# Altium PCB Colin Motherboard.PcbDoc
Units mm, origin at the board's own origin, x right, y up, seen from the top; angles counter-clockwise.
Board outline 97.7 x 230.42 mm, 2 copper layers (Top Layer, Bottom Layer); 40 components, 7 nets, 177 pads, 0 vias.
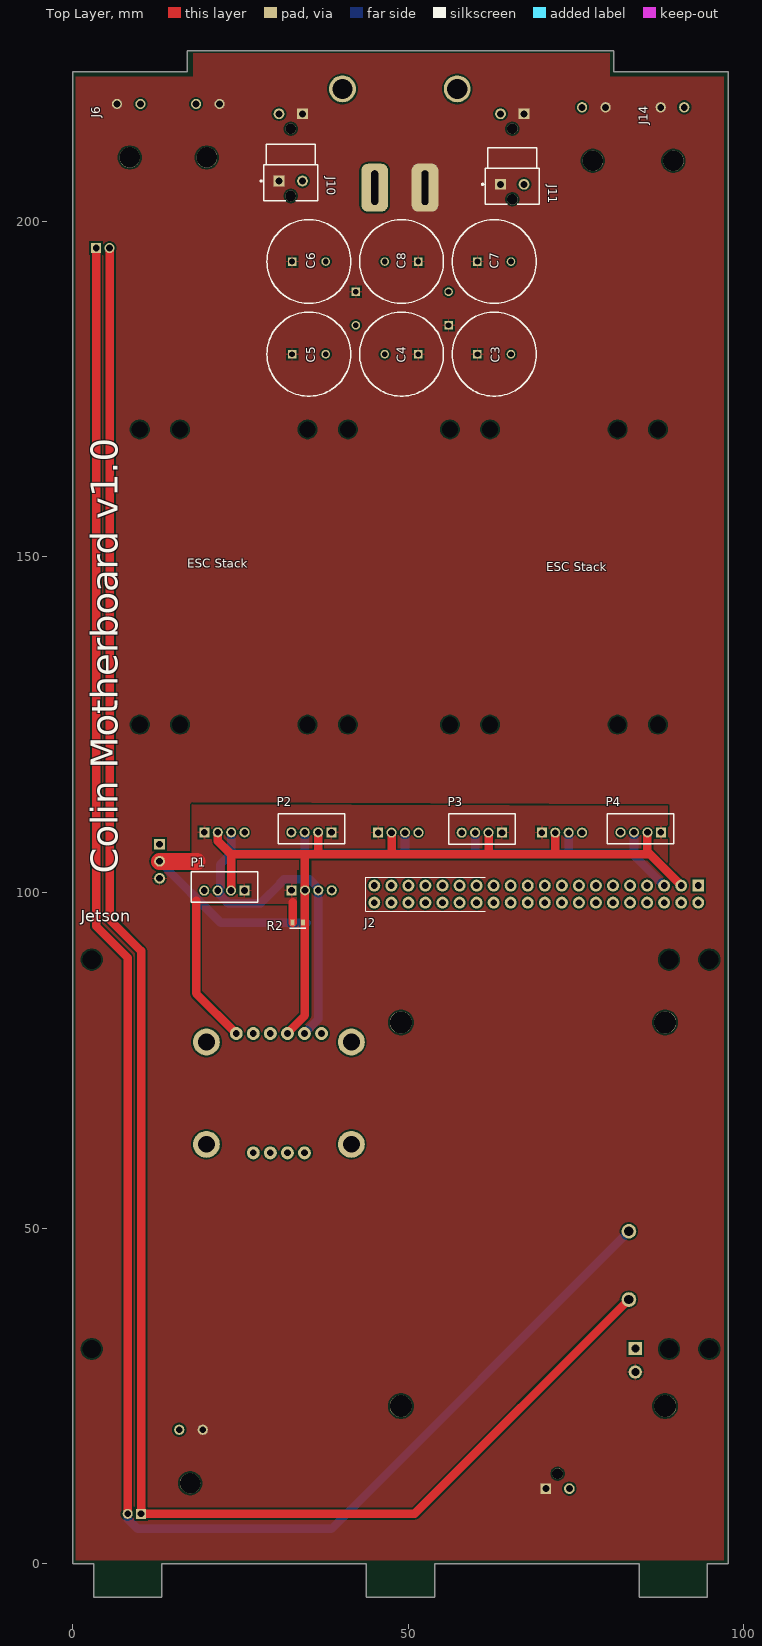
[diagram p0: Top Layer view]
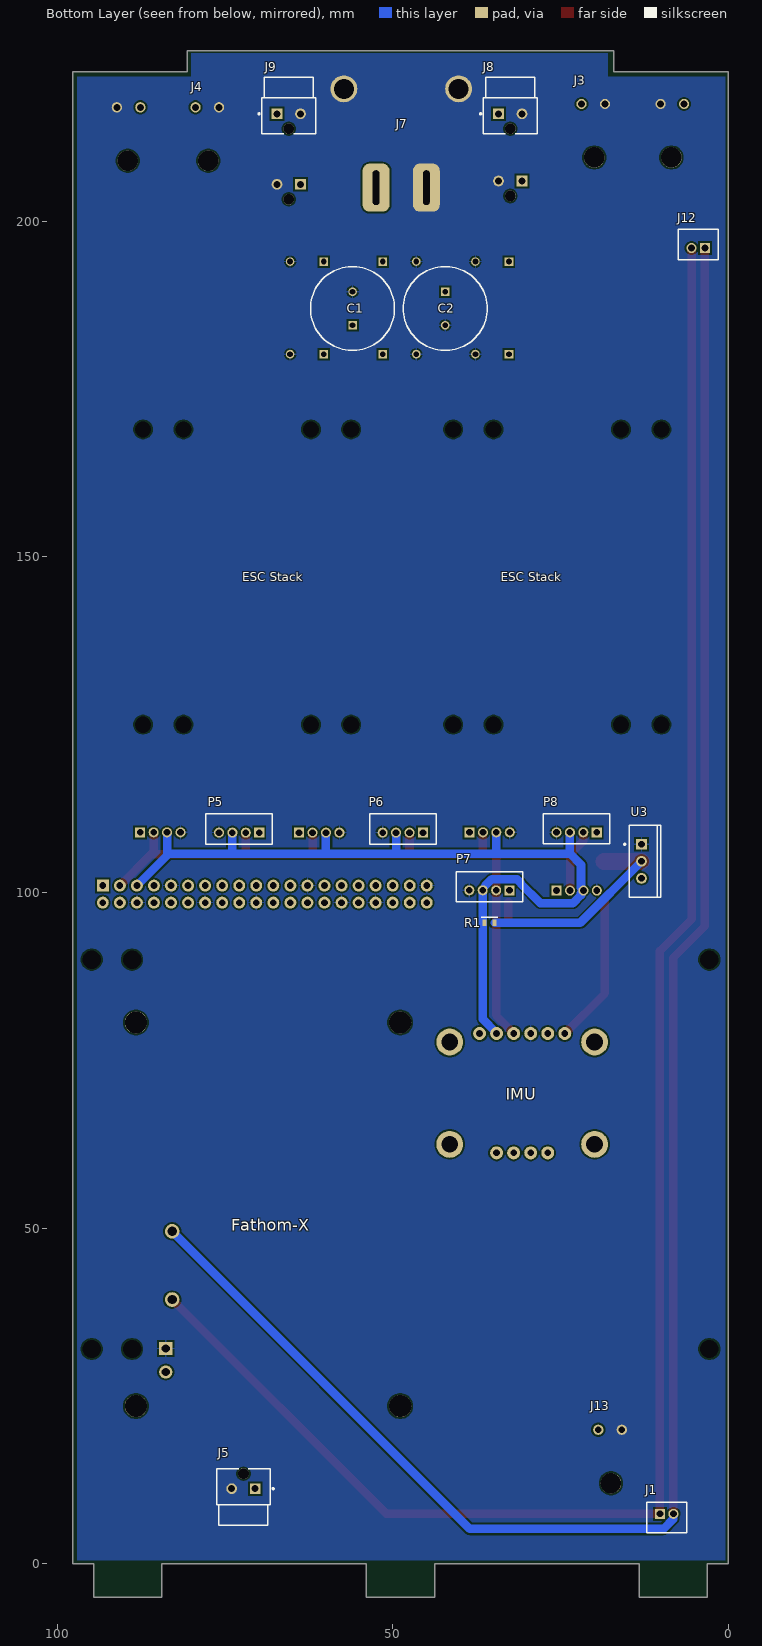
[diagram p1: Bottom Layer view, seen from below]

## Layer stack, top to bottom
Top Solder: solder mask 0.0102, Solder Resist, Dk 3.5
Top Layer: signal copper 0.0356
Dielectric 1: dielectric 0.32, FR-4, Dk 4.8
Bottom Layer: signal copper 0.0356
Bottom Solder: solder mask 0.0102, Solder Resist, Dk 3.5

## Board outline
3.13,-5 3.13,0 0,0 0,222.24 17.1,222.24 17.1,225.42 80.6,225.42 80.6,222.24 97.7,222.24 97.7,0 94.57,0 94.57,-5 84.41,-5 84.41,0 53.93,0 53.93,-5 43.77,-5 43.77,0 13.29,0 13.29,-5

## Design rules (kind name [scope] priority, off if disabled: settings)
Clearance [All] p1: gap=0.254 ignorepadtopadclearanceinfootprint=FALSE except(0: Arc-Hole Track-Hole SMDPad-Hole THPad-Hole Via-Hole Fill-Hole Poly-Hole Region-Hole Text-Hole; 0.15: Arc-Arc Arc-Track Track-Track; 0.2: SMDPad-Via)
HoleSize [All] p1: absolutevalues=TRUE maxlimit=6.3 minlimit=0.2 maxpercent=80.000 minpercent=20.000
HoleToHoleClearance [All] p1: gap=0.5 allowstackedmicrovias=TRUE
MinimumAnnularRing [All] p1: minimumring=0.2
PolygonConnect PolygonConnect_boardpower [(HasFootprint('2CONTAC_ULTRAFIT_R/A') OR HasFootprint('Molex_172286-1102_0') OR HasFootprint('172043-0202'))] p1: connectstyle=Direct reliefconductorwidth=0.254 reliefentries=4 polygonreliefangle="90 Angle" airgapwidth=0.254
PolygonConnect [All] p2: connectstyle=Relief reliefconductorwidth=0.254 reliefentries=4 polygonreliefangle="90 Angle" airgapwidth=0.254
RoutingVias [All] p1: holewidth=0.711 width=1.27 viastyle="Through Hole" minholewidth=0.711 minwidth=1.27 maxholewidth=0.711 maxwidth=1.27
SilkToSolderMaskClearance [IsPad] p1: minsilkscreentomaskgap=0.15 clearancetoexposedcopper=TRUE
SolderMaskExpansion [All] p1: expansion=0.102 istentingtop=FALSE
UnpouredPolygon [All] p1: allowunpoured=TRUE
Width [All] p1: maxlimit=2.54 minlimit=0.2 preferedwidth=1.27 minimp=50.000000 maximp=50.000000 favimp=50.000000
26 further rules are at their usual default settings.

## Classes and differential pairs
component class Colin: C1 C2 C3 C4 C5 C6 C7 C8 "ESC Stack" Fathom-X IMU J1 J2 J3 J4 J5 J6 J7 J8 J9 J10 J11 J12 J13 J14 P1 P2 P3 P4 P5 P6 P7 P8 R1 R2 U3

## Components (designator, comment, footprint, x,y, rotation, side; value= is the part's Value field where it differs from the comment)
C1 "EEU-FC1E102B" EEU-FC1E102B 56,184.5 r90 bottom
C2 "EEU-FC1E102B" EEU-FC1E102B 42.196,189.5 r270 bottom
C3 "EEU-FC1E102B" EEU-FC1E102B 60.304,180.196 r0 top
C4 "EEU-FC1E102B" EEU-FC1E102B 51.5,180.196 r180 top
C5 "EEU-FC1E102B" EEU-FC1E102B 32.696,180.196 r0 top
C6 "EEU-FC1E102B" EEU-FC1E102B 32.696,194 r0 top
C7 "EEU-FC1E102B" EEU-FC1E102B 60.304,194 r0 top
C8 "EEU-FC1E102B" EEU-FC1E102B 51.5,194 r180 top
"ESC Stack" "ESC mounting holes" "Jonathon ESC mounting holes" 59.2,122 r0 top (schematic designator H4)
"ESC Stack" "ESC mounting holes" "Jonathon ESC mounting holes" 7,122 r0 top (schematic designator H5)
"ESC Stack" "ESC mounting holes" "Jonathon ESC mounting holes" 84.2,122 r180 bottom (schematic designator H3)
"ESC Stack" "ESC mounting holes" "Jonathon ESC mounting holes" 44,122 r180 bottom (schematic designator H2)
Fathom-X "FathomX" FATHOM-X 91.445,83.82 r270 bottom (schematic designator U1)
IMU "Adafruit BNO055 IMU" "Adafruit BNO055 IMU" 17.395,80.27 r0 bottom (schematic designator U2)
J1 "B2B-PH-K-S(LF)(SN)" JST-B2B-PH-K-S_V 9.2,6.9 r180 bottom
J2 "2x20 male pin header" "2x20 pin header" 69.07,99.77 r180 top
J3 "MOLEX_172310-1202-R/A" 2CONTAC_ULTRAFIT_R/A 20.14,219.97 r180 bottom
J4 "MOLEX_172310-1202-R/A" 2CONTAC_ULTRAFIT_R/A 77.64,219.47 r180 bottom
J5 "MOLEX_172286-1102-V" Molex_172286-1102_0 72.25,11.2 r0 bottom
J6 "MOLEX_172310-1202-R/A" 2CONTAC_ULTRAFIT_R/A 8.36,219.97 r0 top
J7 "Super Sabre 2 Pos Connector" 172043-0202 59.28,207.575 r180 bottom
J8 "MOLEX_172286-1102-V" Molex_172286-1102_0 32.5,216 r180 bottom
J9 "MOLEX_172286-1102-V" Molex_172286-1102_0 65.5,216 r180 bottom
J10 "MOLEX_172286-1102-V" Molex_172286-1102_0 32.5,206 r0 top
J11 "MOLEX_172286-1102-V" Molex_172286-1102_0 65.5,205.5 r0 top
J12 "B2B-PH-K-S(LF)(SN)" JST-B2B-PH-K-S_V 4.5,196.55 r0 bottom
J13 "MOLEX_172310-1202-R/A" 2CONTAC_ULTRAFIT_R/A 17.64,22.47 r180 bottom
J14 "MOLEX_172310-1202-R/A" 2CONTAC_ULTRAFIT_R/A 89.36,219.47 r0 top
Jetson "Jetson Xavier NX mounting holes" "Jetson mounting holes" -1.15,15 r0 top (schematic designator H1)
P1 "B4B-PH-K-S(LF)(SN)" JST-B4B-PH-K-S_V 22.606,100.838 r180 top
P2 "B4B-PH-K-S(LF)(SN)" JST-B4B-PH-K-S_V 35.576,109.516 r180 top
P3 "B4B-PH-K-S(LF)(SN)" JST-B4B-PH-K-S_V 60.96,109.474 r180 top
P4 "B4B-PH-K-S(LF)(SN)" JST-B4B-PH-K-S_V 84.63,109.516 r180 top
P5 "B4B-PH-K-S(LF)(SN)" JST-B4B-PH-K-S_V 72.898,109.474 r0 bottom
P6 "B4B-PH-K-S(LF)(SN)" JST-B4B-PH-K-S_V 48.514,109.474 r0 bottom
P7 "B4B-PH-K-S(LF)(SN)" JST-B4B-PH-K-S_V 35.608,100.88 r0 bottom
P8 "B4B-PH-K-S(LF)(SN)" JST-B4B-PH-K-S_V 22.622,109.516 r0 bottom
R1 "SG73G1JTTD2201D" SG73G1JTTD2201D 35.6,95.5 r180 bottom
R2 "SG73G1JTTD2201D" SG73G1JTTD2201D 33.54,95.504 r180 top
U3 "LM1085IT-3.3/NOPB" NDE0003A 12.954,104.648 r270 bottom

## Footprints (in the part's own frame and the unit in brackets; to place one, negate y for a bottom-side part, rotate by r counter-clockwise, add the part's x,y. Pads: shape width x height; smd on the part's side, far side on the other; paste and mask are expansions set on the pad)
2CONTAC_ULTRAFIT_R/A [mm]
  round 1.53 hole 1.02: 1(-1.75,-2.5) 2(1.75,-2.5)
  round 3.05 hole 3.05 unplated: MH1(0.14,-10.47)
  body extent -4.49,-17.65 4.51,-2.02, height 8.56
"2x20 pin header" [mil]
  rect 70x70 / inner round 64.67 / far side rect 70x70 hole 39.37: 1(-950,-50)
  round 70 hole 39.37: 2(-950,50) 3(-850,-50) 4(-850,50) 5(-750,-50) 6(-750,50) 7(-650,-50) 8(-650,50) 9(-550,-50) 10(-550,50) 11(-450,-50) 12(-450,50) 13(-350,-50) 14(-350,50) 15(-250,-50) 16(-250,50) 17(-150,-50) 18(-150,50) 19(-50,-50) 20(-50,50) 21(50,-50) 22(50,50) 23(150,-50) 24(150,50) 25(250,-50) 26(250,50) 27(350,-50) 28(350,50) 29(450,-50) 30(450,50) 31(550,-50) 32(550,50) 33(650,-50) 34(650,50) 35(750,-50) 36(750,50) 37(850,-50) 38(850,50) 39(950,-50) 40(950,50)
  silkscreen extent 300,-100 1000,100, body extent -992,-98 978,98, height 415
172043-0202 [mm] "Super Sabre R/A 2 position connector"
  rrect50% 4x7.15 / inner round 4 / far side rrect50% 4x7.15 hole 5.15 slot 1 at 0 deg: 1(6.79,-2.575)
  round 4 hole 3: 2(1.99,12.14) 2(19.08,12.14)
  rrect50% 4x7.15 / inner round 4 / far side rrect50% 4x7.14 hole 5.15 slot 1 at 0 deg: 2(14.28,-2.575)
  body extent -0.04,-4.69 21.04,15.19, height 13.08
"Adafruit BNO055 IMU" [mm]
  round 1.93 hole 1: 1(9.525,19.05) 2(12.065,19.05) 3(14.605,19.05) 4(17.145,19.05) 5(6.985,1.27) 6(9.525,1.27) 7(12.065,1.27) 8(14.605,1.27) 9(17.145,1.27) 10(19.685,1.27)
  round 4 hole 2.5: BLMOUNT(2.54,2.54) BRMOUNT(24.13,2.54) TLMOUNT(2.54,17.78) TRMOUNT(24.13,17.78)
  body extent 0,0 26.67,20.32, height 4.15
EEU-FC1E102B [mm]
  rect 1.275x1.275 hole 0.85: 1(0,0)
  round 1.275 hole 0.85: 2(5,0)
  silkscreen extent -3.75,-6.25 8.75,6.25, body extent -4,-6.5 9,6.5, height 22
FATHOM-X [mil]
  round 86 hole 55: 1(1350,337.5) 2(1750,337.5)
  rect 78x78 / inner round 72.06 / far side rect 78x78 hole 47.24: 3(2037.5,300)
  round 78 hole 47.24: 4(2175.3,300)
  round 130 hole 130 unplated: MH1(125,1675) MH2(2375,1675) MH3(2375,125) MH4(125,125)
  body extent 0,0 2543,1835, height 661
"Jetson mounting holes" [mm]
  round 1 hole 2.75: 4(4,17) 4(4,75) 4(90,17) 4(90,75) 4(96,17) 4(96,75)
  body extent 0,-2.51 100,78.51, height 24.69
"Jonathon ESC mounting holes" [mm]
  round 1.524 hole 2.4: 5(3,3) 6(28,3) 7(28,47) 8(3,47)
JST-B2B-PH-K-S_V [mm] "Connector, 2-Leads, Body 5.9x4.5mm, Pitch 2mm"
  rect 1.5x1.5 hole 1: 1(-1,0.55)
  round 1.5 hole 1: 2(1,0.55)
  silkscreen extent -2.95,-2.25 2.95,2.25, body extent -2.95,-2.25 2.95,2.25, height 6
JST-B4B-PH-K-S_V [mm] "Connector, 4-Leads, Body 9.9x4.5mm, Pitch 2mm"
  rect 1.5x1.5 hole 1: 1(-3,0.55)
  round 1.5 hole 1: 2(-1,0.55) 3(1,0.55) 4(3,0.55)
  silkscreen extent -4.95,-2.25 4.95,2.25, body extent -4.95,-2.25 4.95,2.25, height 6
Molex_172286-1102_0 [mm]
  rect 1.6x1.6 hole 1.05 paste-1000 mask+0: 1(-1.75,0)
  round 1.6 hole 1.05 paste-1000 mask+0: 2(1.75,0)
  round 1.6 hole 1.6 unplated paste-1000 mask+0: ""(0,-2.23)
  silkscreen extent -4.55,-2.93 4,5.48, body extent -4.5,-2.94 4.5,5.73, height 13.96
NDE0003A [mm] "FM, 3-Leads, Body 10.7x4.7mm, Pitch 2.54mm"
  rect 1.6x1.6 hole 1: 1(-2.54,0)
  round 1.6 hole 1: 2(0,0) 3(2.54,0)
  silkscreen extent -5.35,-2.63 5.35,2.85, body extent -5.4,-1.9 5.4,2.9, height 19.4
SG73G1JTTD2201D [mm]
  rect 0.6x0.9 smd: 1(-0.75,0) 2(0.75,0)
  silkscreen extent -1.2,0.8 1.2,0.8

## Part data
J1 J12: library part CMP-2000-05162-1, "Male Header, Pitch 2 mm, 1 x 2 Position, Height 6 mm, Tail Length 3.4 mm, -25 to 85 degC, RoHS, Bulk", Manufacturer=JST, Datasheet URL=http://datasheet.octopart.com/B2B-PH-K-S%28LF%29%28SN%29-JST-datasheet-8324864.pdf, Datasheet Version=Nov-08, Manufacturer URL=http://www.jst.com/home2.html, No of Positions=2, Pitch=2mm, Style/Orientation=StraightHeader/Plug, Termination=Crimp, Type=ShroudedHeader
J3 J4 J6 J13 J14: "172310-1202. - CONNECTOR, HDR, 2POS, 1ROW, 3.5MM, R/A", Color=Black, Manufacturer=Molex, Manufacturer Part Number=172310-1202, Supplier Part Number 1=WM11587-ND, Category="Headers and Wire Housings", ComponentLink1Description=http://www.farnell.com/datasheets/2215923.pdf?src-supplier=Farnell, ComponentLink1URL=http://www.farnell.com/datasheets/2215923.pdf?src-supplier=Farnell, ComponentLink2Description=http://www.alliedelec.com/images/products/datasheets/bm/MOLEX/70617677.pdf?src-supplier=Allied+Electronics, ComponentLink2URL=http://www.alliedelec.com/images/products/datasheets/bm/MOLEX/70617677.pdf?src-supplier=Allied+Electronics, ComponentLink3Description=https://www.molex.com/pdm_docs/sd/1723101202_sd.pdf?src-supplier=Digi-Key, ComponentLink3URL=https://www.molex.com/pdm_docs/sd/1723101202_sd.pdf?src-supplier=Digi-Key, ComponentLink4Description=http://www.farnell.com/datasheets/1955765.pdf?src-supplier=Element14, ComponentLink4URL=http://www.farnell.com/datasheets/1955765.pdf?src-supplier=Element14, ComponentLink5Description=http://www.farnell.com/datasheets/1944206.pdf?src-supplier=Element14, ComponentLink5URL=http://www.farnell.com/datasheets/1944206.pdf?src-supplier=Element14, ComponentLink6Description=http://www.farnell.com/datasheets/2215923.pdf?src-supplier=Newark, ComponentLink6URL=http://www.farnell.com/datasheets/2215923.pdf?src-supplier=Newark, Connector Type="Male Pin", Contact Material="Copper Alloy", Contact Plating=Gold, Fastening Type=Latch, Gender=Male, Mount="Through Hole", Number Of Circuits=2, Number of Contacts=2, Number of Pins=2, Number of Positions=2, Number of Rows=1, Packaging=Tray, Pitch=0.138inch, Pricing 1="1=1.43000, 10=1.22000, 175=1.00749, 1050=0.79537, 4900=0.70523, 10150=0.68933 (USD)", REACH SVHC=Unknown, RoHS=Yes, RoHS Compliant=Yes, Stock 1=2743, Supplier 1=Digi-Key, Termination=Solder
J5 J8 J9 J10 J11: "172286-1102, CONNECTOR, HEADER, 2POS, 1ROW, 3.5MM", Color=Black, Current Rating=14A, Manufacturer=Molex, Manufacturer Part Number=172286-1102, Voltage Rating=400V, Category="Headers and Wire Housings", ComponentLink1Description=http://www.mouser.com/ds/2/276/1722861102_PCB_HEADERS-704547.pdf?src-supplier=Mouser, ComponentLink1URL=http://www.mouser.com/ds/2/276/1722861102_PCB_HEADERS-704547.pdf?src-supplier=Mouser, ComponentLink2Description=http://www.farnell.com/datasheets/2214269.pdf?src-supplier=Farnell, ComponentLink2URL=http://www.farnell.com/datasheets/2214269.pdf?src-supplier=Farnell, ComponentLink3Description=http://www.alliedelec.com/images/products/datasheets/bm/MOLEX/70617660.pdf?src-supplier=Allied+Electronics, ComponentLink3URL=http://www.alliedelec.com/images/products/datasheets/bm/MOLEX/70617660.pdf?src-supplier=Allied+Electronics, ComponentLink4Description=https://www.molex.com/pdm_docs/sd/1722861102_sd.pdf?src-supplier=Digi-Key, ComponentLink4URL=https://www.molex.com/pdm_docs/sd/1722861102_sd.pdf?src-supplier=Digi-Key, ComponentLink5Description=http://www.farnell.com/datasheets/2214269.pdf?src-supplier=Newark, ComponentLink5URL=http://www.farnell.com/datasheets/2214269.pdf?src-supplier=Newark, ComponentLink6Description=http://www.farnell.com/datasheets/1955765.pdf?src-supplier=Element14, ComponentLink6URL=http://www.farnell.com/datasheets/1955765.pdf?src-supplier=Element14, ComponentLink7Description=http://www.farnell.com/datasheets/1944206.pdf?src-supplier=Element14, ComponentLink7URL=http://www.farnell.com/datasheets/1944206.pdf?src-supplier=Element14, Connector Type="Male Pin", Contact Material="Copper Alloy", Contact Plating=Tin, Fastening Type=Latch, Gender=Male, Mount="Through Hole", Number Of Circuits=2, Number of Contacts=2, Number of Pins=2, Number of Positions=2, Number of Rows=1, Orientation=Vertical, Packaging=Tray, Pitch=0.138inch, Pricing 1="1=0.73000, 10=0.61800, 440=0.48105, 2450=0.34360, 4900=0.33215, 12250=0.30466 (USD)", REACH SVHC=Unknown, RoHS=Yes, RoHS Compliant=Yes, Stock 1=6743, Supplier 1=Digi-Key, Termination=Solder
P1 P2 P3 P4 P5 P6 P7 P8: library part CMP-2000-05165-1, "Male Header, Pitch 2 mm, 1 x 4 Position, Height 6 mm, Tail Length 3.4 mm, -25 to 85 degC, RoHS, Bulk", Manufacturer=JST, Datasheet URL=http://datasheet.octopart.com/B4B-PH-K-S%28LF%29%28SN%29-JST-datasheet-10558886.pdf, Datasheet Version=Apr-09, Manufacturer URL=http://www.jst.com/home2.html, No of Positions=4, Pitch=2mm, Style/Orientation=StraightHeader/Plug, Termination=Crimp, Type=ShroudedHeader
R1 R2: "Res Thick Film 0603 2.2K Ohm 0.5% 0.33W(1/3W) ±50ppm/°C Pad SMD Automotive T/R", Manufacturer="KOA Speer", Manufacturer Part Number=SG73G1JTTD2201D, Pricing 1="1=0.06970, 10=0.06900, 25=0.05370, 50=0.05320, 100=0.04410, 250=0.04340, 500=0.04260, 1000=0.04170, 3000=0.04110 (USD)", RoHS=Yes, RoHS Compliant=Yes, Stock 1=4818, Supplier 1="Arrow Electronics", Supplier Part Number 1=SG73G1JTTD2201D
U3: library part CMP-0062-02540-3, "3A Low Dropout Positive Regulators, 3-pin TO-220, Pb-Free", Manufacturer="Texas Instruments", PackageTopMarking=NSUZXYTTE#*LM1085*IT-3.3, PowerWise=N, ComponentLink1Description="Datasheet URL", ComponentLink1URL=http://www.ti.com/general/docs/lit/getliterature.tsp?genericPartNumber=LM1085&fileType=pdf, CompType="LDO IC", PackageDescription="TO-220, Molded, 3 Lead, Straight", PackageReference=NDE0003A, PinCount=3, RoHS=Y

## Nets (pads, with @x,y where several pads share a name; then routed paths per layer and width w, separated by ;. In a path a pad name is that pad's centre, name@x,y a point inside that pad or via, vN(x,y) a via of type N, cw(c..) or ccw(c..) an arc to the next point about the centre after c; other vN are vias at no path point)
3V3: IMU.5 P1.1 P2.1 P3.1 P4.1 P5.1 P6.1 P7.1 P8.1 R1.2 R2.2 U3.2 | length 56.6
  Top Layer w1.27: 18.4,98.792 18.4,84.98 IMU.5 ; 32.766,98.552 32.79,98.528 R2.2
  Top Layer w2.54: U3.2 18.542,104.648
  Bottom Layer w1.27: U3.2 12.954,104.622 22.076,95.5 R1.2
+12: C1.1 C2.1 C3.1 C4.1 C5.1 C6.1 C7.1 C8.1 Fathom-X.4 J3.1 J4.1 J5.1 J6.1 J7.1 J8.1 J9.1 J10.1 J11.1 J13.1 J14.1 U3.3
GND: C1.2 C2.2 C3.2 C4.2 C5.2 C6.2 C7.2 C8.2 Fathom-X.3 IMU.7 J2.6 J2.9 J2.14 J2.20 J2.25 J2.30 J2.34 J2.39 J3.2 J4.2 J5.2 J6.2 J7.2 J8.2 J9.2 J10.2 J11.2 J13.2 J14.2 P1.4 P2.4 P3.4 P4.4 P5.4 P6.4 P7.4 P8.4 U3.1
NetJ1_1: Fathom-X.2 J1.1 J12.2 | length 276.4
  Top Layer w1.27: J12.2 5.5,96 10.2,91.3 J1.1 50.952,7.45 Fathom-X.2
NetJ1_2: Fathom-X.1 J1.2 J12.1 | length 285
  Top Layer w1.27: J12.1 3.5,95 8.2,90.3 J1.2 J1.2@8.244,7.406
  Bottom Layer w1.27: J1.2 8.244,7.406 8.244,6.649 9.693,5.2 38.543,5.2 Fathom-X.1
SCL: IMU.9 J2.5 P1.3 P2.3 P3.3 P4.3 P5.3 P6.3 P7.3 P8.3 R1.1 | length 131.8
  Bottom Layer w1.27: P8.3 23.622,105.794 ; IMU.9 IMU.9@34.54,79.082 ; IMU.9@34.54,79.179 IMU.9@34.54,79.082 ; P2.3 34.576,105.818 34.6,105.794 ; 36.247,101.009 35.287,101.969 31.49,101.969 30.969,101.448 30.969,101.369 28,98.4 23.176,98.4 21.967,99.609 21.967,99.865 21.606,100.226 21.606,100.35 21.967,100.711 21.967,104.139 23.622,105.794 ; P7.3 36.608,81.15 IMU.9@34.54,79.082 ; P6.3 49.514,105.808 49.5,105.794 ; P3.3 59.96,105.834 60,105.794 ; P5.3 73.898,105.796 73.9,105.794 ; P4.3 83.63,105.53 ; J2.5 83.63,105.53 ; 23.622,105.794 34.6,105.794 ; 34.6,105.794 49.5,105.794 ; 49.5,105.794 60,105.794 ; 60,105.794 73.9,105.794 ; 73.9,105.794 83.366,105.794 83.63,105.53
SDA: IMU.8 J2.3 P1.2 P2.2 P3.2 P4.2 P5.2 P6.2 P7.2 P8.2 R2.1 | length 122.8
  Top Layer w1.27: P8.2 21.622,107.678 23.6,105.7 ; P1.2 23.6,100.294 23.6,105.7 ; IMU.8 32,79.082 34.608,81.69 P7.2 34.608,105.508 34.8,105.7 ; P2.2 36.576,105.776 36.5,105.7 ; P6.2 47.514,105.786 47.6,105.7 ; P3.2 61.96,105.76 61.9,105.7 ; P5.2 71.898,105.702 71.9,105.7 ; P4.2 85.63,106.07 86,105.7 ; J2.3 86,105.7 ; 23.6,105.7 34.8,105.7 ; 34.8,105.7 36.5,105.7 ; 36.5,105.7 47.6,105.7 ; 47.6,105.7 61.9,105.7 ; 61.9,105.7 71.9,105.7 ; 71.9,105.7 86,105.7
pads on no net: "ESC Stack.5" "ESC Stack.6" "ESC Stack.7" "ESC Stack.8" Fathom-X.MH1 Fathom-X.MH2 Fathom-X.MH3 Fathom-X.MH4 IMU.1 IMU.2 IMU.3 IMU.4 IMU.6 IMU.10 IMU.BLMOUNT IMU.BRMOUNT IMU.TLMOUNT IMU.TRMOUNT J2.1 J2.2 J2.4 J2.7 J2.8 J2.10 J2.11 J2.12 J2.13 J2.15 J2.16 J2.17 J2.18 J2.19 J2.21 J2.22 J2.23 J2.24 J2.26 J2.27 J2.28 J2.29 J2.31 J2.32 J2.33 J2.35 J2.36 J2.37 J2.38 J2.40 J3.MH1 J4.MH1 J5. J6.MH1 J8. J9. J10. J11. J13.MH1 J14.MH1 Jetson.4

## Polygon pours and split planes (outlines as drawn)
+12 on Top Layer "+12_L01_P004" (solid, pour order 4): 0.5,0.5 0.5,221.5 18,221.5 18,225 80,225 80,221.5 97,221.5 97,0.5
3V3 on Top Layer "3V3_L01_P000" (solid, remove dead copper, pour order 0): 17.78,113.158 17.78,98.298 33.4,98.298 33.4,103.378 88.646,103.378 88.646,112.901
GND on Bottom Layer "GND_L02_P002" (solid, pour order 2): 0.5,0.5 0.5,221.5 18,221.5 18,225 80,225 80,221.5 97,221.5 97,0.5

## Silkscreen, mask and mechanical layers (free items; w line width, h text height)
Top Overlay:
  text "Colin Motherboard v1.0" at 6.7,102.8 h4 r90
Board Outline:
  the board outline again, w0.001

## Text inside footprints (layer, text, board x,y; h text height)
J2: Mechanical 7 "1" at 93.517,103.898 h0.86 r180